# Altium PCB pcb.PcbDoc (part 1 of 2)
Units mil, origin at the board's own origin, x right, y up, seen from the top; angles counter-clockwise.
Board outline 1181.1 x 1968.5 mil, 4 copper layers (Top, Layer 2, Layer 3, Bottom), stack 33.234 mil thick; 94 components, 76 nets, 390 pads, 188 vias.
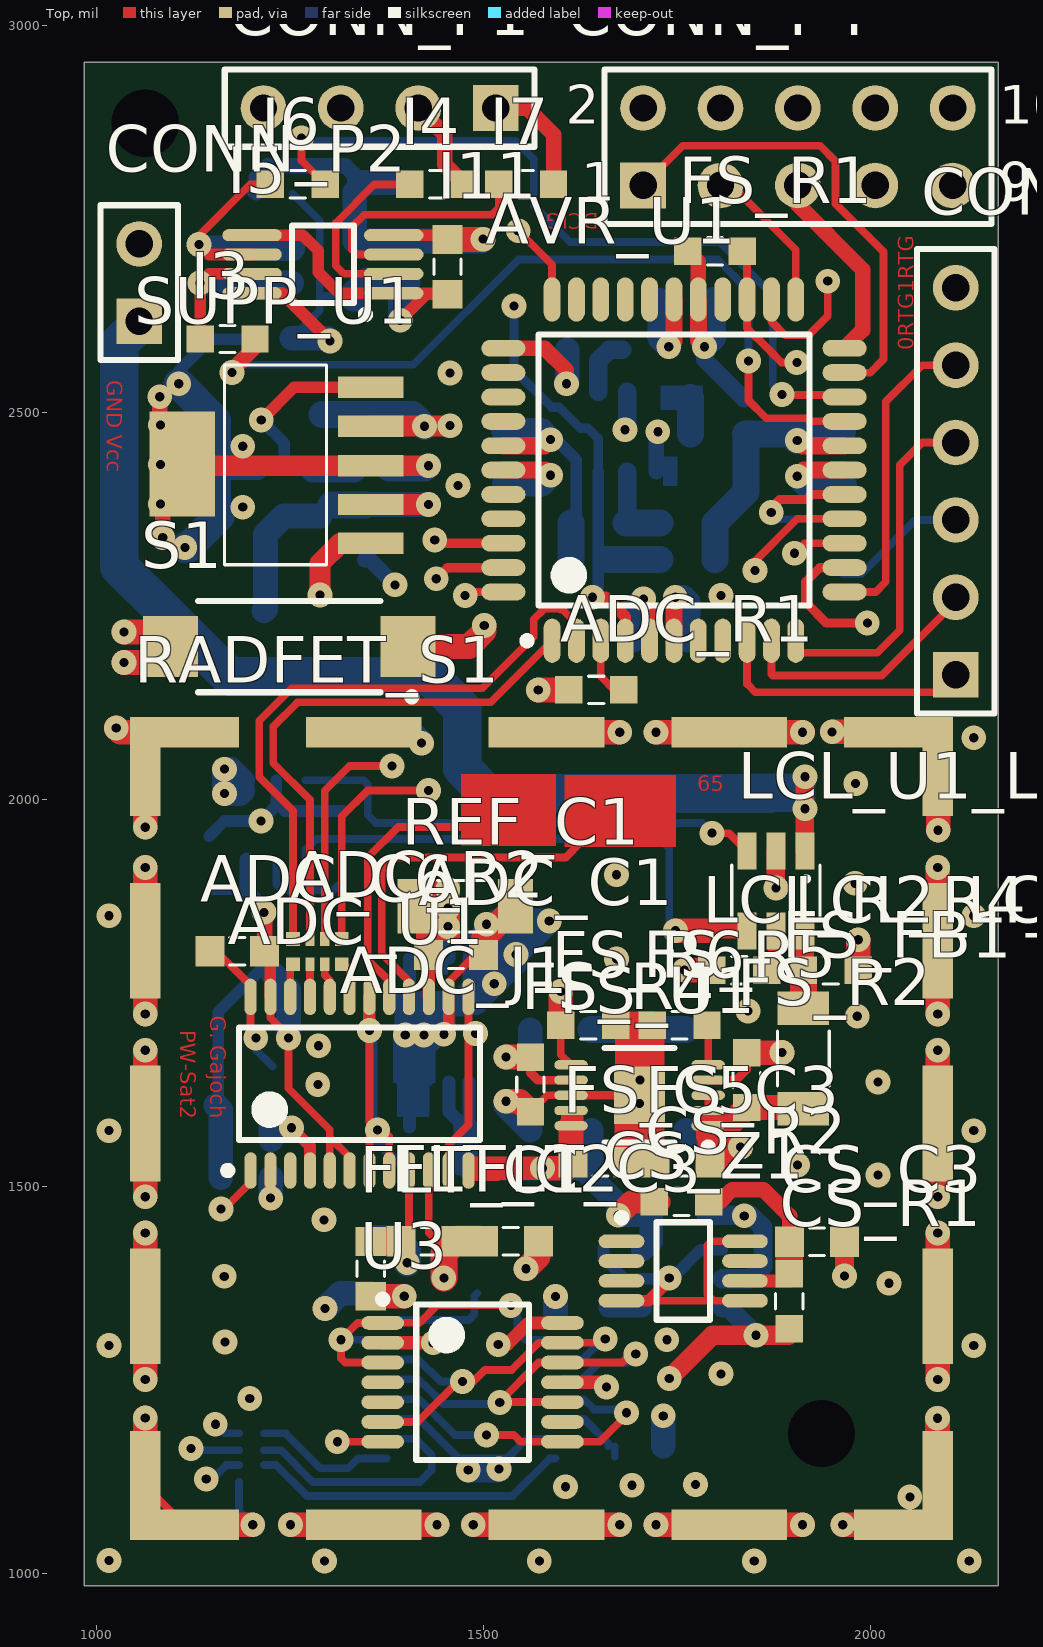
[diagram p0: Top view]
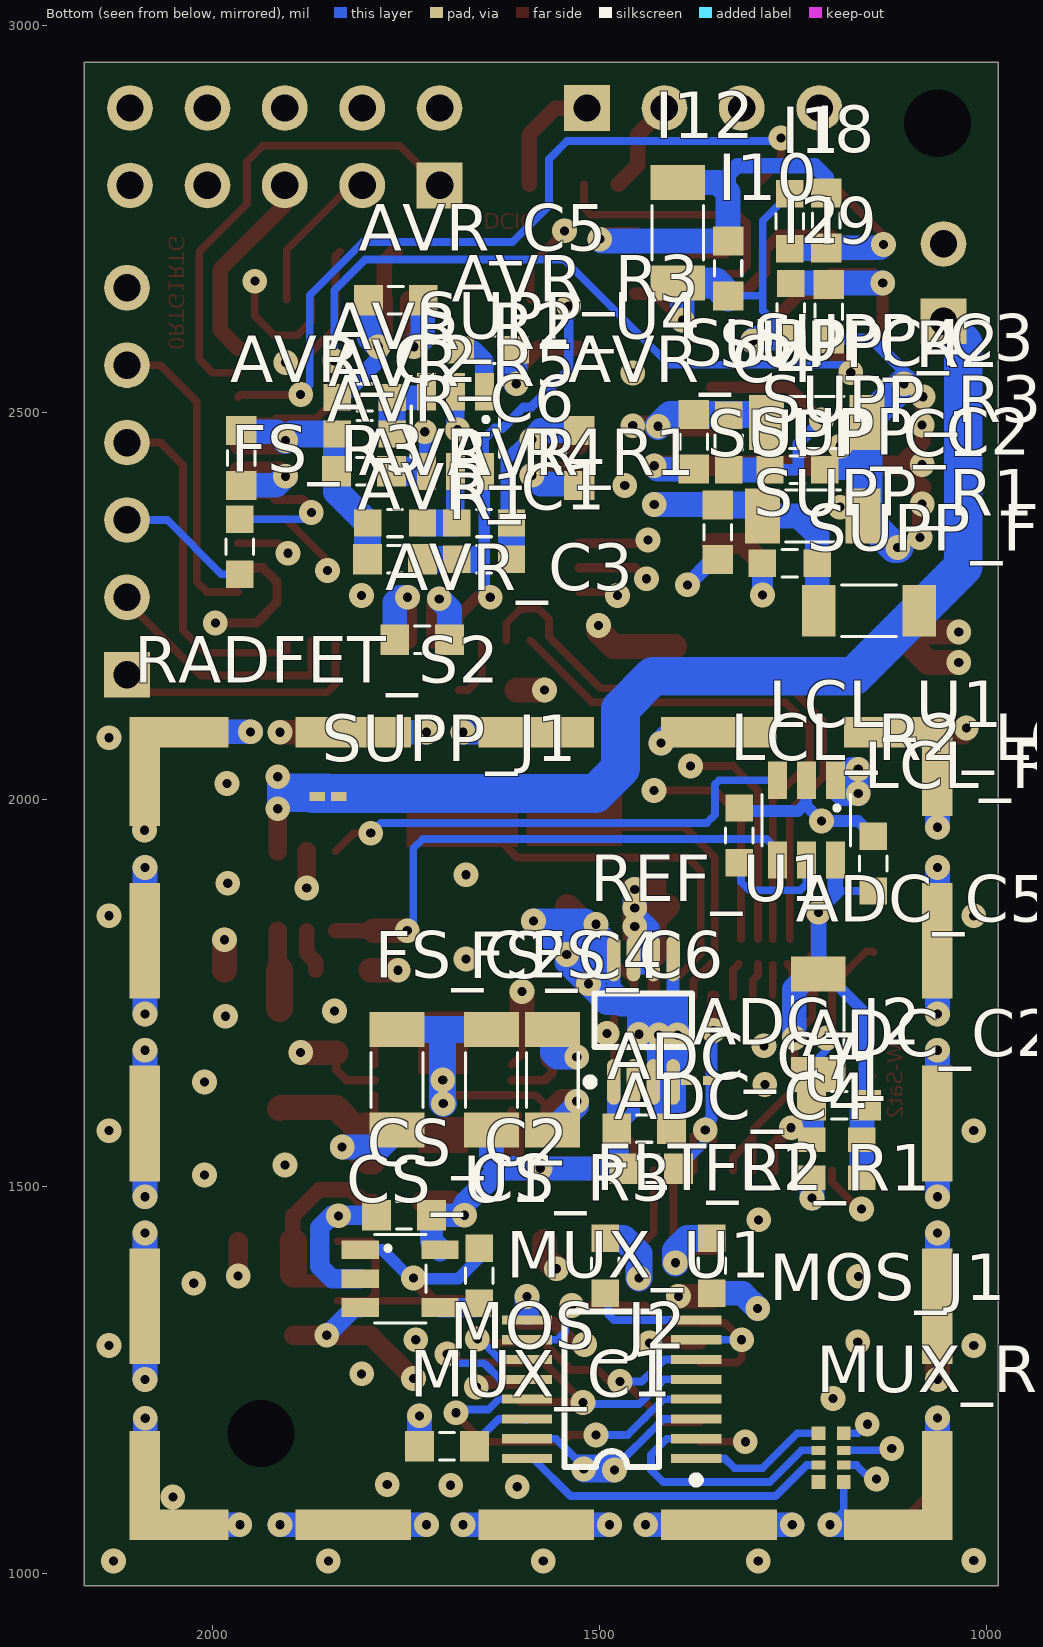
[diagram p1: Bottom view, seen from below]
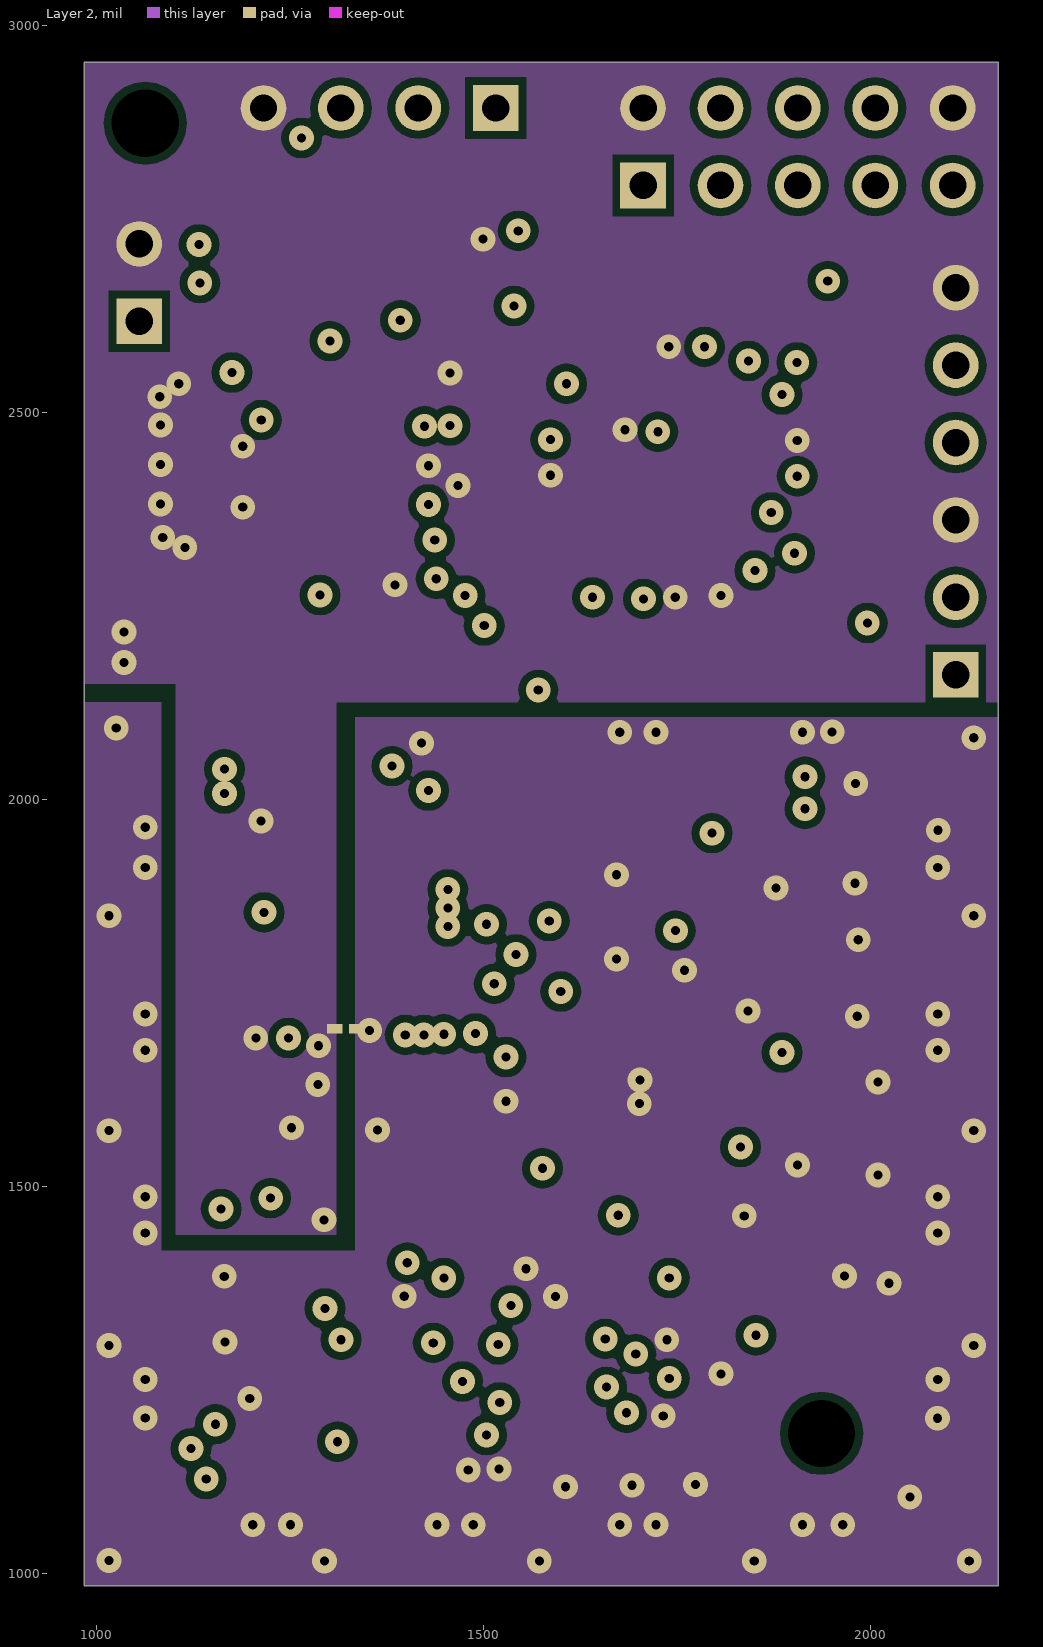
[diagram p2: Layer 2]
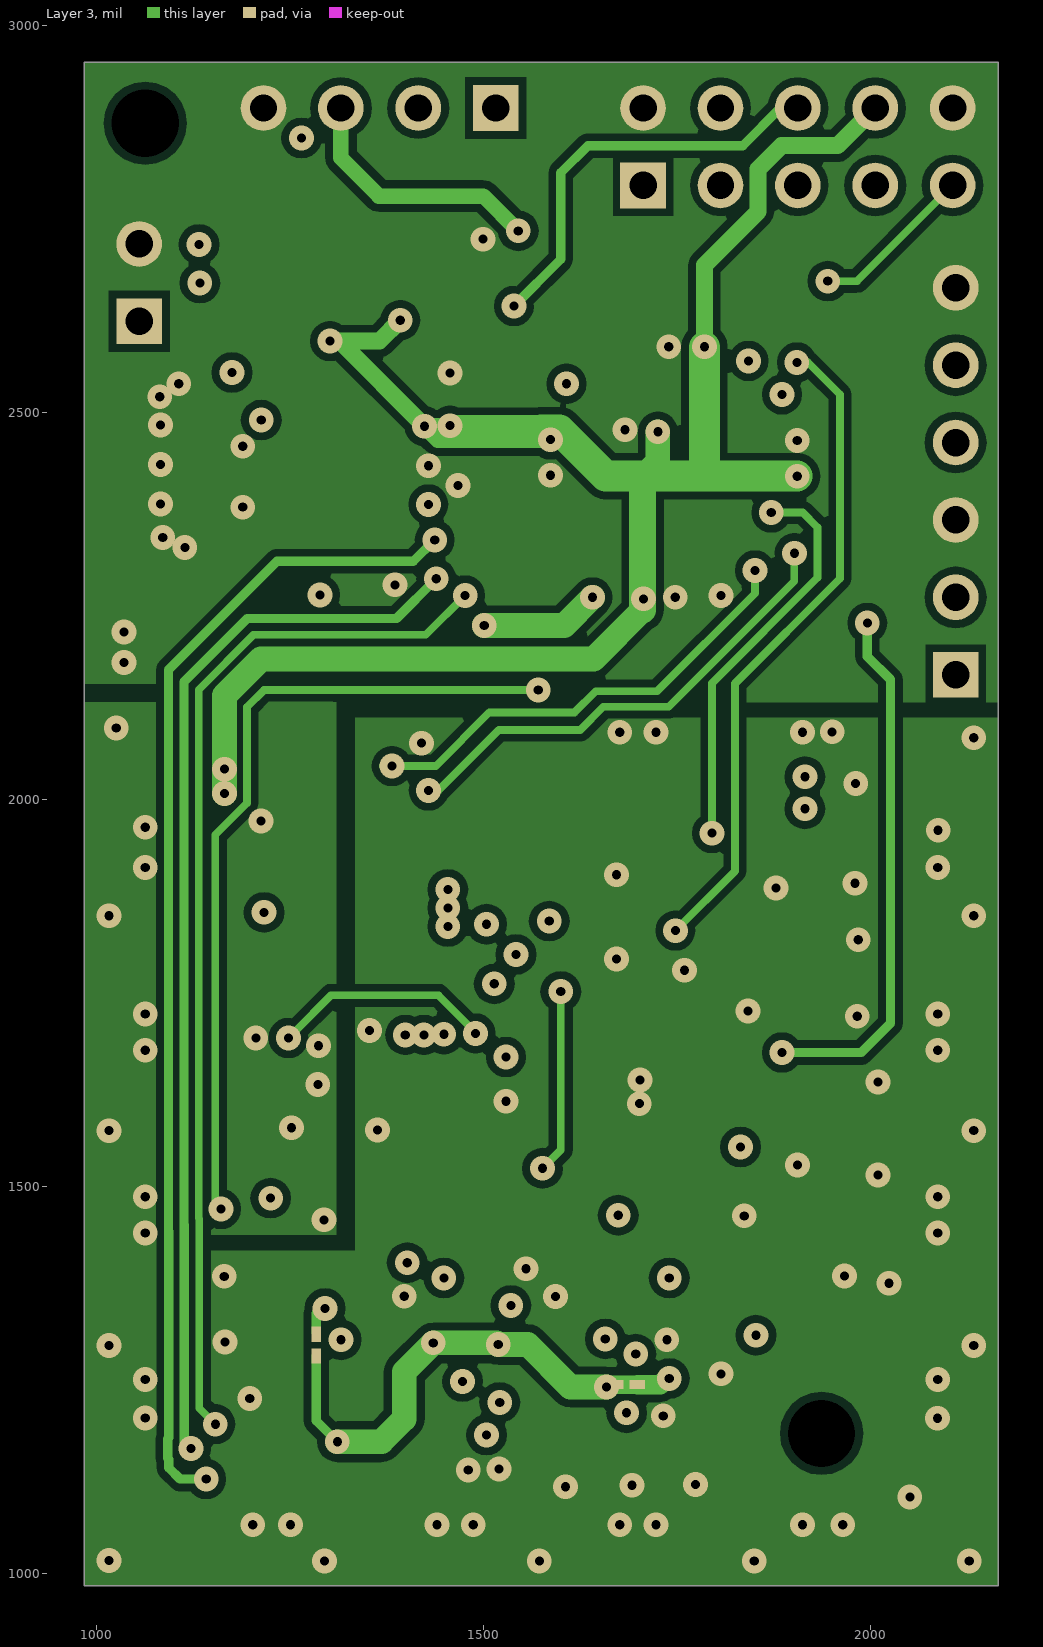
[diagram p3: Layer 3]
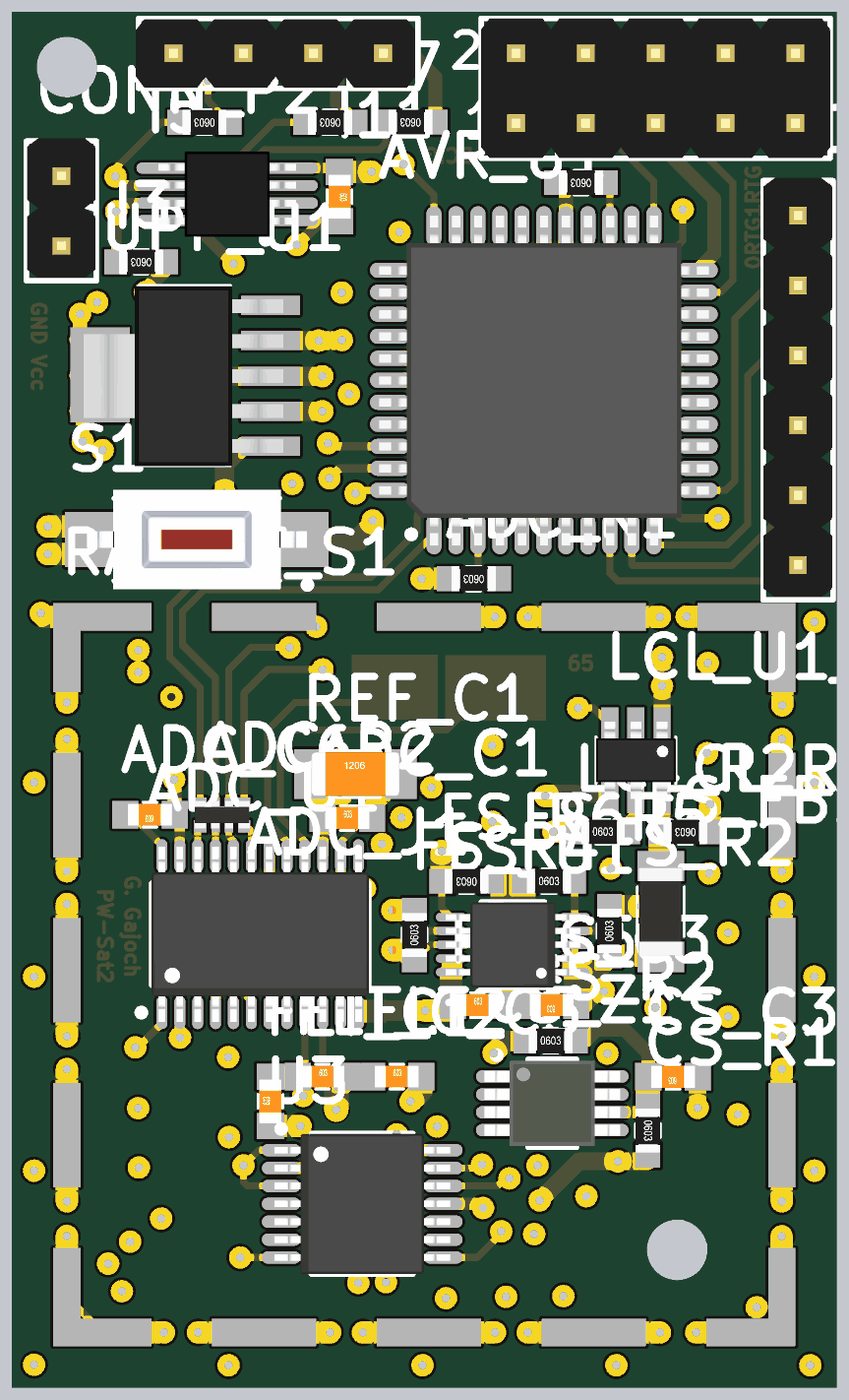
[diagram p5: 3D render of the assembled board from above, using the file's embedded part models]
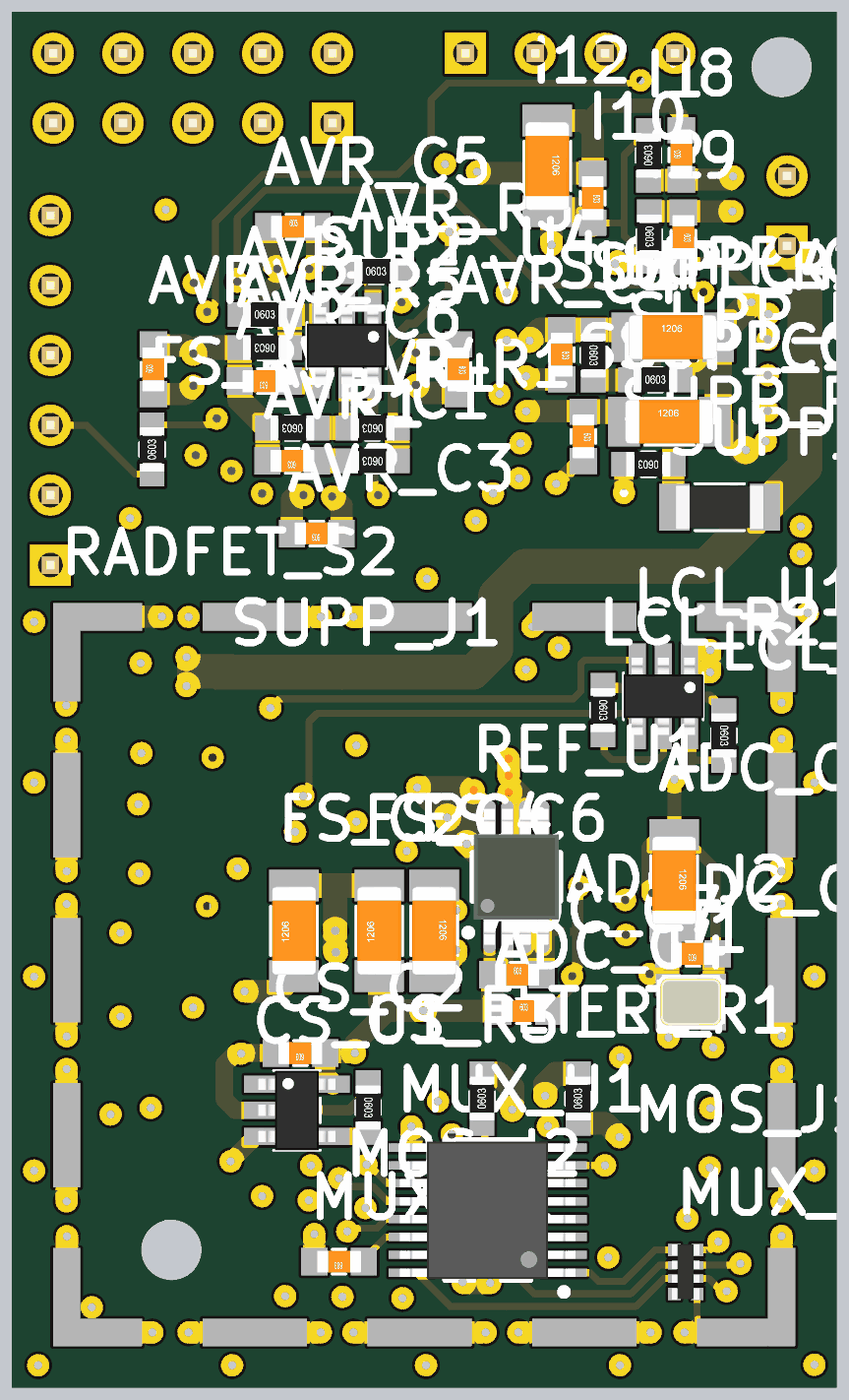
[diagram p6: 3D render of the assembled board from below, using the file's embedded part models]

## Layer stack, top to bottom
Top Solder: solder mask 0.4, Solder Resist, Dk 3.5
Top: signal copper 1.4
Dielectric 1: core 12.6, FR-4, Dk 4.8
Layer 2: signal copper 1.417
Dielectric 3: prepreg 5, Dk 4.2
Layer 3: signal copper 1.417
Dielectric 4: core 10, Dk 4.2
Bottom: signal copper 1.4
Bottom Solder: solder mask 0.4, Solder Resist, Dk 3.5

## Board outline
984.25,984.25 984.25,2952.76 2165.35,2952.76 2165.35,984.25

## Design rules (kind name [scope] priority, off if disabled: settings)
Clearance [All] p1: gap=8 except(6: SMDPad-SMDPad; 10: Arc-Poly Track-Poly SMDPad-Poly THPad-Poly Via-Poly Fill-Poly Poly-Poly Poly-Region Poly-Text)
ComponentClearance ComponentClearance_1 [HasFootprint('2way_LP')] p1: gap=0 collisioncheckmode=3 verticalgap=0 showdistances=FALSE
ComponentClearance [All] p2: gap=10 collisioncheckmode=3 verticalgap=10 showdistances=FALSE
MinimumSolderMaskSliver [All] p1 off: minsoldermaskwidth=10
PlaneConnect PlaneConnect_1 [InNet('ADC_P')] p1: planeconnectstyle=Direct reliefexpansion=20 reliefentries=4 reliefconductorwidth=10 reliefairgap=10
PlaneConnect [All] p2: planeconnectstyle=Relief reliefexpansion=20 reliefentries=4 reliefconductorwidth=10 reliefairgap=10
PolygonConnect PolygonConnect_1 [InNet('ADC_P')] p1: connectstyle=Direct reliefconductorwidth=10 reliefentries=4 polygonreliefangle="90 Angle" airgapwidth=10
PolygonConnect [All] p2: connectstyle=Direct reliefconductorwidth=10 reliefentries=4 polygonreliefangle="90 Angle" airgapwidth=10
RoutingVias [All] p1: holewidth=11.81 width=32 viastyle="Through Hole" minholewidth=11.81 minwidth=32 maxholewidth=11.81 maxwidth=32
ShortCircuit ShortCircuit_1 [IsFill] p1: allowed=TRUE
ShortCircuit [All] p2: allowed=FALSE
SilkToSilkClearance [All] p1 off: silktosilkclearance=10
SilkToSolderMaskClearance [IsPad] p1 off: minsilkscreentomaskgap=10 clearancetoexposedcopper=TRUE
SolderMaskExpansion [All] p1: expansion=4
Width [All] p1: maxlimit=100 minlimit=10 preferedwidth=100 minimp=50.000000 maximp=50.000000 favimp=50.000000
24 further rules are at their usual default settings.

## Classes and differential pairs
component class "100uA Current source": CS_C2 CS_C3 CS_R1 CS_R2 CS_R3 CS_U1 CS_Z1
component class ADC: ADC_C1 ADC_C2 ADC_C4 ADC_C5 ADC_C6 ADC_C7 ADC_J1 ADC_J2 ADC_R1 ADC_R2 ADC_U1 REF_C1 REF_U1 U1
component class AVR: AVR_C1 AVR_C2 AVR_C3 AVR_C4 AVR_C5 AVR_C6 AVR_R1 AVR_R2 AVR_R3 AVR_R4 AVR_R5 AVR_U1 R1 SUPP_U4
component class "Channel selector": MUX_C1 MUX_R1 MUX_U1
component class connectors: CONN_P1 CONN_P2 CONN_P3 CONN_P4 S1
component class "I2C Repeater": I1 I2 I3 I4 I5 I6 I7 I8 I9 I10 I11 I12
component class SENSOR: MOS_J1 MOS_J2 U3
component class Supply: SUPP_C1 SUPP_C2 SUPP_C3 SUPP_C4 SUPP_FB2 SUPP_J1 SUPP_R1 SUPP_R2 SUPP_R3 SUPP_U1
component class "Radfet Supply": FS_C2 FS_C3 FS_C4 FS_C5 FS_C6 FS_FB1 FS_R1 FS_R2 FS_R3 FS_R4 FS_R5 FS_R6 FS_U1
component class Filter: FLT_C1 FLT_C2 FLT_C3 FLT_C? FLT_R1 FLT_R2 FLT_R?
component class RadFET: RADFET_S1 RADFET_S2
component class "LCL 3V3d": "LCL_R2_LCL 3V3d" "LCL_R4_LCL 3V3d" "LCL_U1_LCL 3V3d"
component class "LCL 5Va": "LCL_R2_LCL 5Va" "LCL_R4_LCL 5Va" "LCL_U1_LCL 5Va"
channel class LCL: "LCL 3V3d" "LCL 5Va"
